# Altium PCB IDC_MCX_Adapter_flex.PCBDOC (part 4 of 4)
Units mm, origin at the board's own origin, x right, y up, seen from the top; angles counter-clockwise.
Board outline 170.6 x 106.1 mm, 4 copper layers (L1, L2, L3, L4), stack 1.598 mm thick; 298 components, 203 nets, 907 pads, 346 vias.
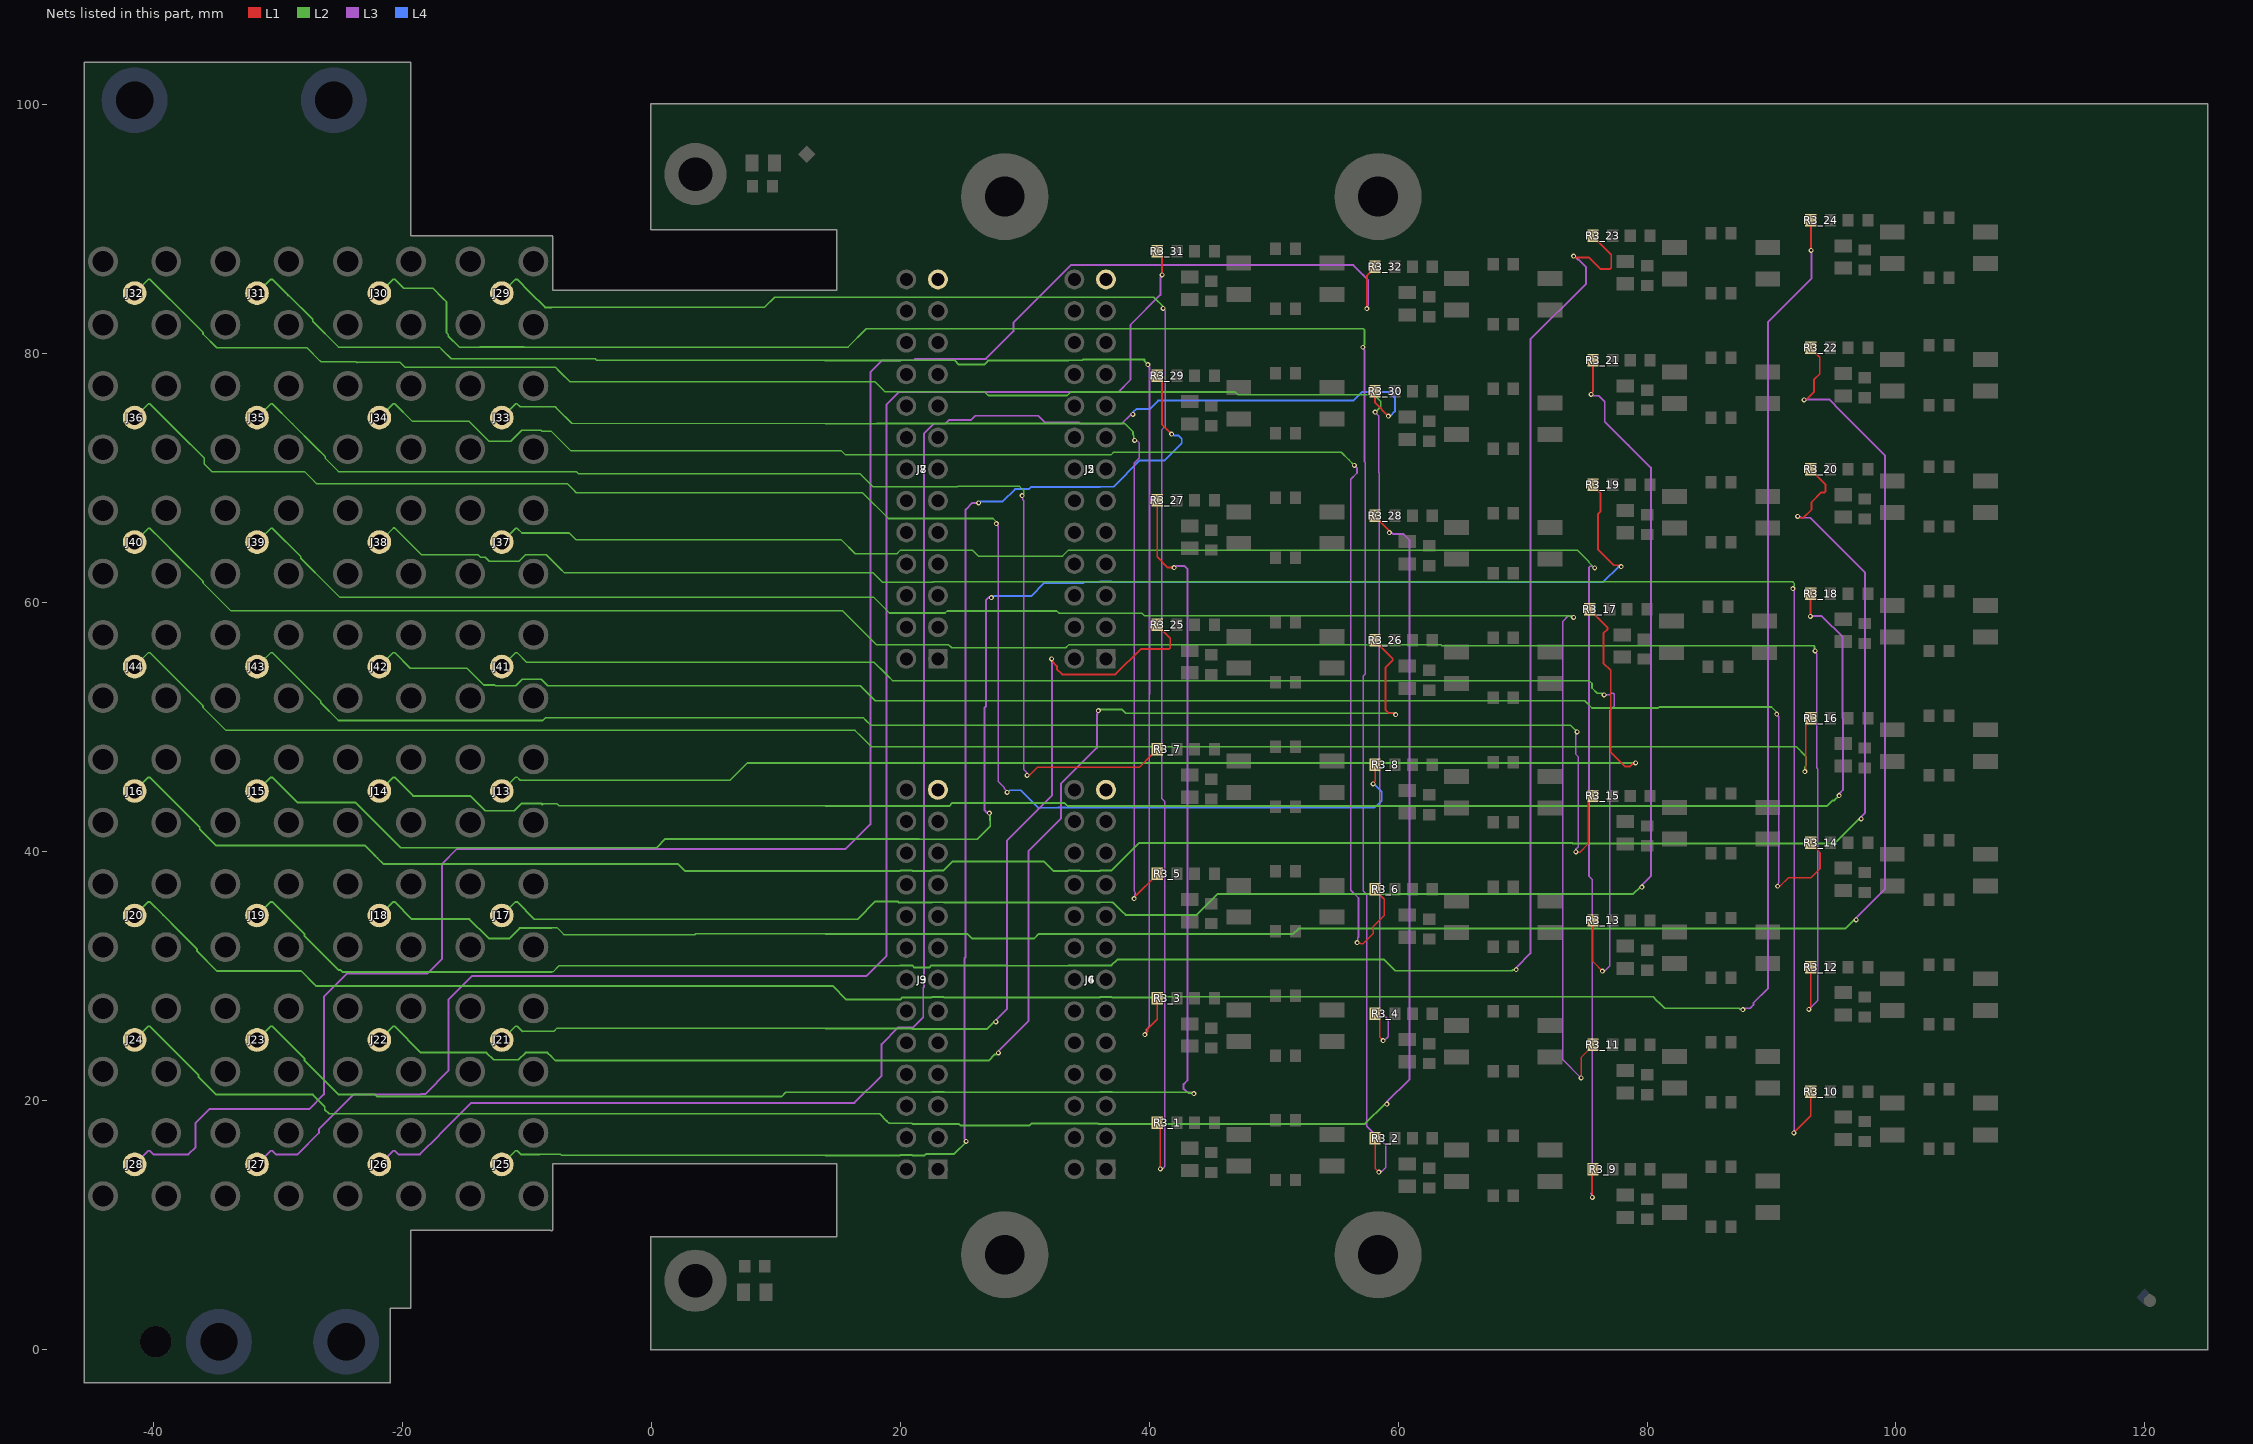
[diagram p6: the nets of this part, all layers, seen from the top]

## Via types
v1: diameter 0.5, hole 0.2, L1 to L4, tented both sides, 176 vias
v2: diameter 0.4, hole 0.2, L1 to L4, tented both sides, 170 vias

## Nets (pads, with @x,y where several pads share a name; then routed paths per layer and width w, separated by ;. In a path a pad name is that pad's centre, name@x,y a point inside that pad or via, vN(x,y) a via of type N, cw(c..) or ccw(c..) an arc to the next point about the centre after c; other vN are vias at no path point) (continued)
OUT_P1: J29.1 R3_1.1 | length 128.8
  L1 w0.127: R3_1.1@40.65,18.2 40.9,17.95 v2(40.9,14.5)
  L3 w0.127: v2(40.9,14.5) 40.952,14.552 41.127,14.552 41.264,14.689 41.264,44.003 41.003,44.263 41.003,73.857 41.285,74.139 41.285,83.411 41.121,83.574 v2(41.121,83.621)
  L2 w0.127: -8,83.698 -3.7,83.698 -3.687,83.711 9.107,83.711 9.92,84.524 23.054,84.524 40.376,84.524 41.147,83.753 41.147,83.647 v2(41.121,83.621)
  L2 w0.152: J29.1@-12,84.85 -10.901,85.949 -10.775,85.949 -9.744,84.918 -8.523,83.698 -8,83.698
OUT_P2: J30.1 R3_2.1 | length 155.8
  L1 w0.127: R3_2.1@58.15,16.95 58.15,14.55 v2(58.462,14.238)
  L3 w0.127: v2(57.176,80.5) 57.176,80.426 57.3,80.302 57.3,71.291 57.36,71.231 57.36,54.241 57.203,54.084 57.203,36.815 57.481,36.537 57.481,17.924 58.402,17.002 58.6,16.805 59,16.405 59,14.6 58.69,14.29 58.515,14.29 v2(58.462,14.238)
  L2 w0.127: J30.1@-21.833,84.85 -20.715,85.969 -20.609,85.969 -19.87,85.229 -17.524,85.229 -16.698,84.402 -16.441,84.146 -16.441,81.67 -16.3,81.529 -16.3,81.384 -15.429,80.513 -13.796,80.513 -13.788,80.521 -10.212,80.521 -10.204,80.513 15.808,80.513 17.279,81.984 21.737,81.984 57.216,81.984 57.3,81.9 57.3,80.698 57.176,80.574 v2(57.176,80.5)
OUT_P3: J31.1 R3_3.1 | length 132.7
  L1 w0.152: v2(39.658,25.278) 39.658,25.345 39.883,25.57 39.883,25.767 40.65,26.533 R3_3.1@40.65,28.2
  L3 w0.152: v2(39.658,25.278) 39.658,25.345 39.791,25.478 39.791,25.711 40.011,25.93 40.011,52.62 40.026,52.636 40.026,78.907 39.9,79.033 v2(39.9,79.1)
  L2 w0.127: -29.164,84.672 -29.128,84.672 -27.197,82.74 -27.197,82.592 -25.118,80.513 -23.974,80.513 -17.008,80.513 -16.796,80.301 -16.063,79.568 -4.499,79.568 -4.375,79.444 13.987,79.444 13.999,79.432
  L2 w0.152: J31.1@-31.667,84.85 -30.568,85.949 -30.442,85.949 -29.294,84.801 -29.164,84.672 ; 14,79.431 19.999,79.431 20.024,79.456 24.375,79.456 24.726,79.106 26.737,79.106 27.062,79.431 33.499,79.431 33.524,79.456 34.612,79.456 34.666,79.511 39.62,79.511 39.62,79.426 39.9,79.146 v2(39.9,79.1)
OUT_P4: J32.1 R3_4.1 | length 159.6
  L1 w0.127: R3_4.1@58.15,26.95 58.536,26.564 58.536,25.089 58.8,24.825 v2(58.8,24.8)
  L3 w0.127: v2(58.163,75.287) 58.163,75.275 58.434,75.005 58.434,70.46 58.503,70.39 58.503,46.434 58.518,46.42 58.518,27.187 59.202,26.502 59.202,25.102 59.11,25.01 59.084,25.01 58.874,24.8 v2(58.8,24.8)
  L2 w0.127: J32.1@-41.5,84.85 -40.381,85.969 -40.276,85.969 -36.955,82.647 -36.004,81.696 -36.004,81.566 -34.898,80.46 -27.655,80.46 -26.598,79.402 -26.516,79.321 -23.716,79.321 -23.634,79.239 -23.593,79.28 -20.162,79.28 -19.79,78.908 -7.707,78.908 -7.301,78.501 -6.521,77.721 17.979,77.721 18.623,77.077 18.787,76.913 26.792,76.913 27.084,76.621 33.426,76.621 33.709,76.904 46.922,76.904 47.155,76.671 58.075,76.671 58.6,76.146 58.6,75.724 v2(58.163,75.287)
OUT_P5: J33.1 R3_5.1 | length 92.9
  L1 w0.127: v2(38.8,36.2) 38.852,36.252 38.852,36.352 40.65,38.15 R3_5.1@40.65,38.2
  L3 w0.127: v2(38.8,36.2) 38.852,36.252 38.852,36.547 38.902,36.597 38.902,36.702 38.818,36.787 38.818,71.214 39.195,71.591 39.195,72.843 39.064,72.975 38.88,72.975 v2(38.827,73.027)
  L2 w0.127: J33.1@-12,74.85 -10.881,75.969 -10.776,75.969 -10.528,75.72 -7.715,75.72 -7.498,75.502 -6.422,74.426 -6.384,74.389 13.999,74.37 ; 14,74.37 18.1,74.366 18.105,74.372 38.052,74.372 38.702,73.721 38.702,73.48 38.775,73.407 38.775,73.08 v2(38.827,73.027)
OUT_P6: J34.1 R3_6.1 | length 126.6
  L1 w0.127: v2(56.71,32.666) 56.762,32.614 56.99,32.614 57.037,32.568 57.164,32.568 58.001,33.406 58.001,33.96 58.893,34.852 58.893,36.157 58.15,36.9 R3_6.1@58.15,36.95
  L3 w0.127: v2(56.486,71.007) 56.489,71.007 56.7,70.796 56.7,70.4 56.2,69.9 56.2,36.884 56.821,36.264 56.821,33.12 56.757,33.057 56.757,32.714 v2(56.71,32.666)
  L2 w0.127: J34.1@-21.833,74.85 -20.715,75.969 -20.609,75.969 -19.181,74.541 -14.624,74.541 -13.11,73.026 -13.028,72.944 -11.287,72.944 -10.404,73.828 -8.846,73.828 -8.758,73.74 -8.015,73.74 -6.475,72.2 15.256,72.2 15.607,71.849 36.931,71.849 37.142,72.06 55.44,72.06 56.061,71.439 56.486,71.014 v2(56.486,71.007)
OUT_P7: J35.1 R3_7.1 | length 99.5
  L1 w0.127: v2(30.2,46.1) 30.252,46.152 30.427,46.152 31.023,46.748 39.198,46.748 40.213,47.763 40.263,47.763 40.65,48.15 R3_7.1@40.65,48.2
  L3 w0.127: v2(29.8,68.576) 29.85,68.526 29.85,68.256 29.924,68.182 29.924,46.581 30.25,46.255 30.25,46.15 v2(30.2,46.1)
  L2 w0.127: J35.1@-31.667,74.85 -30.548,75.969 -30.443,75.969 -28.808,74.334 -26.988,72.514 -26.17,71.696 -26.17,71.566 -25.118,70.513 -6.008,70.513 -5.898,70.402 -5.816,70.321 16.784,70.321 17.796,69.309 24.635,69.309 24.646,69.321 29.594,69.321 29.924,68.99 29.924,68.774 29.8,68.65 v2(29.8,68.576)
OUT_P8: J36.1 R3_8.1 | length 130.3
  L1 w0.127: v2(58,45.427) 58,45.501 58.15,45.651 R3_8.1@58.15,46.95
  L3 w0.127: v2(27.721,66.321) 27.721,66.274 27.885,66.111 27.885,45.62 28.369,45.136 28.369,45.045 28.602,44.812 v2(28.602,44.738)
  L2 w0.127: J36.1@-41.5,74.85 -40.381,75.969 -40.276,75.969 -38.108,73.801 -35.89,71.582 -35.89,71.095 -35.308,70.513 -27.854,70.513 -27.052,69.711 -26.889,69.548 -6.743,69.548 -6.299,69.104 -6.016,68.821 16.979,68.821 19.056,66.744 27.456,66.744 27.747,66.453 27.747,66.347 v2(27.721,66.321)
  L4 w0.127: v2(28.602,44.738) 28.642,44.738 28.813,44.909 29.681,44.909 31.09,43.5 32.656,43.5 32.679,43.524 46.989,43.524 47.013,43.5 58.116,43.5 58.679,44.064 58.679,44.784 58.036,45.427 v2(58,45.427)
OUT_P9: J37.1 R3_9.1 | length 143.9
  L1 w0.127: v2(75.6,12.2) 75.6,14.4 R3_9.1@75.65,14.45
  L3 w0.127: v2(75.6,12.2) 75.548,12.252 75.548,12.47 75.5,12.518 75.61,12.628 75.61,37.727 75.335,38.002 75.335,62.822 75.41,62.897 75.602,62.897 75.726,62.773 v2(75.8,62.773)
  L2 w0.127: J37.1@-12,64.85 -10.881,65.969 -10.776,65.969 -10.386,65.579 -6.574,65.579 -6.098,65.102 -6.016,65.021 15.284,65.021 16.384,63.921 19.746,63.921 20.03,64.204 25.801,64.204 26.284,63.721 33.046,63.721 33.53,64.204 74.401,64.204 75.302,63.302 75.302,63.245 75.775,62.773 v2(75.8,62.773)
OUT_P10: J38.1 R3_10.1 | length 164.6
  L1 w0.127: v2(91.79,17.394) 93.15,18.754 R3_10.1@93.15,20.7
  L3 w0.127: v2(91.719,61.1) 91.719,61.026 91.843,60.902 91.843,17.615 91.843,17.446 v2(91.79,17.394)
  L2 w0.127: J38.1@-21.833,64.85 -20.706,65.978 -20.601,65.978 -18.45,63.827 -13.911,63.827 -13.714,63.63 -13.341,63.63 -13.014,63.303 -10.613,63.303 -10.089,63.827 -8.427,63.827 -7.301,62.701 -6.968,62.368 17.837,62.368 18.421,61.784 18.584,61.621 22.616,61.621 22.659,61.664 91.708,61.664 91.843,61.528 91.843,61.298 91.719,61.174 v2(91.719,61.1)
OUT_P11: J39.1 R3_11.1 | length 150.8
  L1 w0.127: v2(74.7,21.8) 74.7,23.45 75.65,24.4 R3_11.1@75.65,24.45
  L3 w0.127: v2(74.1,58.797) 74.026,58.797 73.902,58.921 73.672,58.921 73.245,58.494 73.245,23.255 v2(74.7,21.8)
  L2 w0.127: J39.1@-31.667,64.85 -30.548,65.969 -30.443,65.969 -28.157,63.683 -28.157,63.553 -25.771,61.167 -25.006,60.401 17.896,60.401 19.147,59.149 23.611,59.149 23.776,59.314 32.597,59.314 32.787,59.124 39.425,59.124 39.546,59.002 39.628,58.921 73.8,58.921 73.872,58.849 74.048,58.849 v2(74.1,58.797)
OUT_P12: J40.1 R3_12.1 | length 172.7
  L1 w0.127: v2(93,27.3) 93,27.374 93.15,27.524 R3_12.1@93.15,30.7
  L3 w0.127: v2(93,27.3) 93.721,28.021 93.721,46.614 93.624,46.711 93.624,55.902 93.5,56.026 v2(93.5,56.1)
  L2 w0.127: J40.1@-41.5,64.85 -40.381,65.969 -40.276,65.969 -39.283,64.976 -38.105,63.797 -36.005,61.698 -36.005,61.567 -33.759,59.321 15.379,59.321 17.499,57.201 18.091,56.609 23.888,56.609 24.055,56.442 24.137,56.361 33.306,56.361 33.53,56.584 63.449,56.584 63.512,56.521 93.426,56.521 93.456,56.49 93.456,56.144 v2(93.5,56.1)
OUT_P13: J41.1 R3_13.1 | length 118.7
  L1 w0.127: R3_13.1@75.65,34.45 75.65,31.15 v2(76.421,30.379)
  L3 w0.127: v2(76.421,30.379) 76.447,30.353 76.553,30.353 77,30.8 77,51.318 77.365,51.683 77.365,52.622 77.291,52.697 77.134,52.697 77.01,52.573 v2(76.554,52.573)
  L2 w0.127: J41.1@-12,54.85 -10.881,55.969 -10.776,55.969 -9.986,55.179 17.926,55.179 18.802,54.302 19,54.105 19.385,53.719 75.347,53.719 75.58,53.486 75.58,53.127 76.01,52.697 76.357,52.697 76.48,52.573 v2(76.554,52.573)
OUT_P14: J42.1 R3_14.1 | length 135.7
  L1 w0.127: v2(90.5,37.2) 90.552,37.252 90.727,37.252 91.342,37.867 93.158,37.867 93.893,38.602 93.893,39.907 93.15,40.65 R3_14.1@93.15,40.7
  L3 w0.127: v2(90.421,51.021) 90.421,50.974 90.585,50.811 90.585,37.5 90.552,37.468 90.552,37.252 v2(90.5,37.2)
  L2 w0.127: J42.1@-21.833,54.85 -20.715,55.969 -20.609,55.969 -19.347,54.706 -14.79,54.706 -13.45,53.366 -12.552,53.366 -12.49,53.303 -10.872,53.303 -10.348,53.828 -8.831,53.828 -8.398,53.394 -8.316,53.312 16.793,53.312 17.201,52.904 18.006,52.098 75.002,52.098 75.582,51.518 80.913,51.518 80.998,51.602 89.998,51.602 90.447,51.153 90.447,51.047 v2(90.421,51.021)
OUT_P15: J43.1 R3_15.1 | length 124.6
  L1 w0.127: v2(74.284,39.967) 74.314,39.937 74.612,39.937 75.263,40.588 75.263,44.064 R3_15.1@75.65,44.45
  L3 w0.127: v2(74.284,39.967) 74.279,39.972 74.279,40.167 74.488,40.376 74.488,47.591 74.258,47.821 74.258,49.404 74.386,49.533 v2(74.386,49.607)
  L2 w0.127: J43.1@-31.667,54.85 -30.548,55.969 -30.443,55.969 -27.838,53.364 -26.551,52.077 -26.551,51.947 -25.118,50.513 -8.716,50.513 -8.508,50.721 17.059,50.721 17.241,50.539 17.659,50.121 73.879,50.121 73.961,50.039 74.386,49.614 v2(74.386,49.607)
OUT_P16: J44.1 R3_16.1 | length 144.1
  L1 w0.127: v2(92.676,46.4) 92.676,46.474 92.763,46.561 92.763,50.313 R3_16.1@93.15,50.7
  L2 w0.127: J44.1@-41.5,54.85 -40.381,55.969 -40.276,55.969 -36.555,52.247 -36.004,51.696 -36.004,51.566 -34.159,49.721 16.379,49.721 16.899,49.201 17.679,48.421 91.979,48.421 92.8,47.6 92.8,46.9 92.691,46.791 92.691,46.414 v2(92.676,46.4)
OUT_P17: J13.1 R3_17.1 | length 107.3
  L1 w0.152: R3_17.1@75.4,59.45 75.4,59.4 76.827,57.973 76.827,57.847 76.487,57.508 76.487,55.133 77.084,54.536 77.084,47.957 78.235,46.807 78.614,46.807 78.874,47.068 79.038,47.068 v2(79.085,47.115)
  L2 w0.127: J13.1@-12,44.85 -10.881,45.969 -10.776,45.969 -10.528,45.72 6.326,45.72 7.708,47.102 79.073,47.102 v2(79.085,47.115)
OUT_P18: J14.1 R3_18.1 | length 137.8
  L1 w0.152: v2(93.127,58.873) 93.127,60.677 R3_18.1@93.15,60.7
  L3 w0.152: v2(93.127,58.873) 93.158,58.903 94.028,58.903 94.122,58.809 95.705,57.226 95.705,50.727 95.742,50.689 95.742,44.942 95.476,44.676 95.476,44.519 v2(95.429,44.471)
  L2 w0.127: -8.744,43.758 -8.682,43.821 -7.561,43.821 -7.391,43.651 13.986,43.651 13.999,43.638
  L2 w0.152: J14.1@-21.833,44.85 -20.734,45.949 -20.608,45.949 -19.122,44.463 -14.529,44.463 -13.331,43.265 -11.007,43.265 -10.432,43.84 -8.826,43.84 -8.744,43.758 ; 13.999,43.638 23.938,43.638 24.2,43.9 33.189,43.9 33.451,43.638 94.438,43.638 94.9,44.1 95.057,44.1 v2(95.429,44.471)
OUT_P19: J15.1 R3_19.1 | length 141.1
  L1 w0.152: R3_19.1@75.65,69.45 75.65,69.4 76.25,68.8 76.25,67.299 76.071,67.121 76.071,64.246 77.327,62.99 77.743,62.99 77.855,62.878 v2(77.922,62.878)
  L3 w0.152: v2(27.173,43.073) 27.125,43.12 26.968,43.12 26.791,43.297 26.791,51.552 26.889,51.651 26.889,60.189 27.1,60.4 27.297,60.4 v2(27.32,60.378)
  L2 w0.152: J15.1@-31.667,44.85 -30.568,45.949 -30.442,45.949 -29.519,45.026 -28.407,43.914 -23.746,43.914 -20.126,40.295 -8,40.295 0.443,40.295 1.144,40.996 21.513,40.996 21.538,40.971 26.202,40.971 27.242,42.011 27.242,42.474 27.203,42.512 27.203,43.042 v2(27.173,43.073)
  L4 w0.152: v2(27.32,60.378) 27.387,60.378 27.518,60.509 30.513,60.509 31.553,61.549 34.723,61.549 34.824,61.651 36.039,61.651 36.064,61.676 37.001,61.676 37.026,61.651 76.482,61.651 77.716,62.884 77.915,62.884 v2(77.922,62.878)
OUT_P20: J16.1 R3_20.1 | length 177.8
  L1 w0.152: v2(92.1,66.916) 92.167,66.916 92.278,66.805 92.559,66.805 93.212,67.458 93.212,68.039 94.007,68.834 94.26,68.834 94.349,68.924 94.349,69.451 93.15,70.65 R3_20.1@93.15,70.7
  L3 w0.152: v2(92.1,66.916) 92.147,66.869 92.336,66.869 92.4,66.805 93.126,66.805 95.5,64.431 97.508,62.423 97.508,43.077 97.241,42.81 97.241,42.653 v2(97.194,42.606)
  L2 w0.152: J16.1@-41.5,44.85 -40.401,45.949 -40.275,45.949 -38.944,44.618 -37.405,43.079 -36.266,41.941 -36.266,41.774 -34.967,40.475 -23.006,40.475 -22.216,39.684 -22,39.469 -21.526,38.995 -8,38.995 2.151,38.995 2.715,38.431 19.999,38.431 20.024,38.456 20.961,38.456 20.986,38.431 22.539,38.431 22.564,38.456 23.472,38.456 24.211,39.195 31.551,39.195 32.315,38.431 33.499,38.431 33.524,38.456 34.461,38.456 34.486,38.431 36.039,38.431 36.064,38.456 36.972,38.456 39.201,40.684 73.982,40.684 74.027,40.639 95.07,40.639 97.052,42.621 97.179,42.621 v2(97.194,42.606)
OUT_P21: J17.1 R3_21.1 | length 139.6
  L1 w0.152: v2(75.5,76.716) 75.5,76.783 75.65,76.933 R3_21.1@75.65,79.45
  L3 w0.152: v2(75.5,76.716) 75.567,76.716 75.678,76.605 76.126,76.605 76.6,76.131 76.6,74.531 78.5,72.631 80.305,70.826 80.305,38.005 79.626,37.326 79.626,37.169 v2(79.579,37.121)
  L2 w0.152: J17.1@-12,34.85 -10.901,35.949 -10.775,35.949 -9.377,34.551 -8,34.551 13.999,34.551 ; 14,34.551 16.582,34.551 18.016,35.984 19.805,35.984 19.898,35.891 22.539,35.891 22.564,35.916 23.501,35.916 23.526,35.891 28.604,35.891 36.039,35.891 36.064,35.916 37.001,35.916 37.026,35.891 37.109,35.891 37.808,35.192 38.105,34.895 43.826,34.895 45.517,36.586 78.886,36.586 79.437,37.137 79.563,37.137 v2(79.579,37.121)
OUT_P22: J18.1 R3_22.1 | length 173.4
  L1 w0.152: v2(92.627,76.273) 92.675,76.32 92.832,76.32 93.407,76.895 93.407,77.884 93.873,78.35 93.873,79.677 93.15,80.4 R3_22.1@93.15,80.45
  L3 w0.152: v2(92.627,76.273) 92.66,76.305 94.626,76.305 95.6,75.331 99.105,71.826 99.105,36.974 96.841,34.71 96.841,34.553 v2(96.794,34.506)
  L2 w0.127: -8,33.84 -7.987,33.853 -7.535,33.853 -7.159,33.477 -6.995,33.313 3.498,33.313 3.574,33.389 13.986,33.389 13.999,33.376
  L2 w0.152: J18.1@-21.833,34.85 -20.734,35.949 -20.608,35.949 -19.226,34.567 -14.598,34.567 -13.116,33.084 -13.026,32.995 -11.411,32.995 -10.566,33.84 -8,33.84 ; 13.999,33.376 22.413,33.376 22.438,33.351 25.418,33.351 25.684,33.084 25.774,32.995 30.753,32.995 31.134,33.376 35.913,33.376 35.938,33.351 51.558,33.351 52.002,33.795 95.926,33.795 96.652,34.521 96.779,34.521 v2(96.794,34.506)
OUT_P23: J19.1 R3_23.1 | length 171.8
  L1 w0.152: v2(74.1,87.827) 74.167,87.827 74.299,87.695 75.351,87.695 76.246,86.8 77.032,86.8 77.122,86.89 77.122,87.928 75.65,89.4 R3_23.1@75.65,89.45
  L3 w0.152: v2(69.494,30.506) 69.541,30.553 69.541,30.71 70.634,31.803 70.634,81.134 75.105,85.605 75.105,86.926 74.467,87.564 74.43,87.564 74.167,87.827 v2(74.1,87.827)
  L2 w0.127: -8,30.315 -7.897,30.315 -7.388,30.824 13.986,30.824 13.999,30.811
  L2 w0.152: J19.1@-31.667,34.85 -30.568,35.949 -30.442,35.949 -27.845,33.353 -27.845,33.187 -25.133,30.475 -24.968,30.475 -24.897,30.404 -24.807,30.315 -8,30.315 ; 13.999,30.811 19.999,30.811 20.024,30.836 20.961,30.836 20.986,30.811 20.997,30.811 21.139,30.67 22.337,30.67 22.504,30.836 28.463,30.836 28.488,30.811 33.499,30.811 33.524,30.836 36.972,30.836 37.447,31.311 58.889,31.311 59.789,30.411 69.158,30.411 69.206,30.459 69.447,30.459 v2(69.494,30.506)
OUT_P24: J20.1 R3_24.1 | length 199.6
  L1 w0.152: R3_24.1@93.15,90.7 93.173,90.677 v2(93.173,88.273)
  L3 w0.152: v2(87.7,27.284) 87.767,27.284 87.878,27.395 88.285,27.395 88.553,27.663 88.553,27.822 89.705,28.974 89.705,82.505 93.205,86.005 93.205,88.24 v2(93.173,88.273)
  L2 w0.152: J20.1@-41.5,34.85 -40.401,35.949 -40.275,35.949 -39.219,34.893 -37.955,33.629 -36.499,32.174 -36.499,32.007 -34.883,30.391 -28.122,30.391 -27.016,29.284 -26.926,29.195 -8,29.195 14.574,29.195 15.674,28.095 20.003,28.095 20.179,28.271 22.539,28.271 22.564,28.296 23.501,28.296 23.526,28.271 36.039,28.271 36.064,28.296 37.001,28.296 37.026,28.271 40.602,28.271 40.616,28.284 40.998,28.284 41.032,28.319 80.481,28.319 80.8,28 81.016,27.784 81.405,27.395 87.4,27.395 87.464,27.331 87.653,27.331 v2(87.7,27.284)
OUT_P25: J21.1 R3_25.1 | length 85.2
  L1 w0.152: v2(32.173,55.473) 32.22,55.425 32.22,55.268 32.597,54.891 32.597,54.62 33.003,54.214 37.298,54.214 39.354,56.271 41.606,56.271 41.695,56.36 41.695,57.105 40.65,58.15 R3_25.1@40.65,58.2
  L3 w0.152: v2(27.694,26.306) 27.741,26.353 27.741,26.51 28.568,27.337 28.568,40.868 32.205,44.505 32.205,55.44 v2(32.173,55.473)
  L2 w0.127: -10.359,25.534 -10.342,25.552 -7.815,25.552 -7.559,25.808 3.998,25.808 4.011,25.795 13.986,25.795 13.999,25.783
  L2 w0.152: J21.1@-12,24.85 -10.901,25.949 -10.775,25.949 -10.359,25.534 ; 13.999,25.783 20.934,25.783 20.986,25.731 26.962,25.731 27.552,26.321 27.679,26.321 v2(27.694,26.306)
OUT_P26: J22.1 R3_26.1 | length 114.4
  L1 w0.152: R3_26.1@58.15,56.95 58.15,56.9 59.573,55.477 59.573,55.351 58.977,54.755 58.977,51.363 59.245,51.095 59.622,51.095 59.733,50.984 v2(59.8,50.984)
  L3 w0.152: v2(27.894,23.806) 27.941,23.853 27.941,24.01 30.305,26.374 30.305,40.005 32.919,42.619 32.919,45.425 35.805,48.311 35.805,51 35.869,51.064 35.869,51.253 v2(35.916,51.3)
  L2 w0.127: -8,23.5 -7.704,23.204 13.986,23.204 13.999,23.191
  L2 w0.152: J22.1@-21.833,24.85 -20.734,25.949 -20.608,25.949 -18.499,23.84 -13.232,23.84 -12.657,23.265 -10.669,23.265 -10.094,23.84 -8.34,23.84 -8,23.5 ; 13.999,23.191 19.999,23.191 20.024,23.216 20.961,23.216 20.986,23.191 22.539,23.191 22.564,23.216 23.501,23.216 23.526,23.191 27.122,23.191 27.616,23.684 27.706,23.684 27.827,23.806 v2(27.894,23.806) ; v2(35.916,51.3) 35.983,51.3 36.083,51.4 37.8,51.4 38.105,51.095 59.622,51.095 59.733,50.984 v2(59.8,50.984)
OUT_P27: J23.1 R3_27.1 | length 128.7
  L1 w0.152: R3_27.1@40.65,68.2 40.65,63.65 41.5,62.8 v2(42,62.8)
  L3 w0.152: v2(42,62.8) 42.067,62.8 42.178,62.911 42.858,62.911 43.074,62.695 43.074,21.594 42.777,21.298 42.777,20.919 43.045,20.651 43.422,20.651 43.533,20.54 v2(43.6,20.54)
  L2 w0.152: J23.1@-31.667,24.85 -30.568,25.949 -30.442,25.949 -27.845,23.353 -27.845,23.187 -25.133,20.475 -22.206,20.475 -22.026,20.295 -8,20.295 10.468,20.295 10.824,20.651 22.539,20.651 22.564,20.676 23.501,20.676 23.526,20.651 36.039,20.651 36.064,20.676 37.001,20.676 37.026,20.651 43.118,20.651 43.181,20.587 43.553,20.587 v2(43.6,20.54)
  L4 w0.152: v2(42,62.8) v2@42.006,62.806
OUT_P28: J24.1 R3_28.1 | length 154.9
  L1 w0.152: R3_28.1@58.15,66.95 58.15,66.9 59.253,65.797 59.253,65.663 v2(59.3,65.616)
  L3 w0.152: v2(59.094,19.706) 59.141,19.753 59.141,19.91 60.905,21.674 60.905,65.026 60.426,65.505 59.6,65.505 59.536,65.569 59.347,65.569 v2(59.3,65.616)
  L2 w0.127: -8,18.92 -7.987,18.933 13.986,18.933 13.999,18.92
  L2 w0.152: J24.1@-41.5,24.85 -40.401,25.949 -40.275,25.949 -39.069,24.743 -37.655,23.329 -36.381,22.056 -36.381,21.889 -34.948,20.456 -27.175,20.456 -26.223,19.503 -26.223,19.263 -25.88,18.92 -8,18.92 ; 13.999,18.92 18.349,18.92 18.929,18.34 19.107,18.162 20.935,18.162 20.986,18.111 24.716,18.111 24.747,18.08 24.837,17.99 30.402,17.99 30.548,18.136 35.913,18.136 35.938,18.111 57.342,18.111 v2@58.952,19.721
OUT_P29: J25.1 R3_29.1 | length 115.4
  L1 w0.152: R3_29.1@40.65,78.2 41.024,77.826 41.024,74.303 v2(41.8,73.527)
  L3 w0.152: v2(25.303,16.7) 25.303,16.767 25.176,16.894 25.176,31.43 25.253,31.507 25.253,67.453 25.8,68 v2(26.3,68)
  L2 w0.127: -8.953,15.657 -8.934,15.676 -7.29,15.676 -7.199,15.584 13.986,15.584 13.999,15.571
  L2 w0.152: J25.1@-12,14.85 -10.901,15.949 -10.775,15.949 -10.482,15.657 -8.953,15.657 ; 13.999,15.571 19.999,15.571 20.024,15.596 20.961,15.596 20.986,15.571 21.97,15.571 22.097,15.698 24.347,15.698 25.303,16.654 v2(25.303,16.7)
  L4 w0.152: v2(26.3,68) 26.367,68 26.478,68.111 28.242,68.111 29.237,69.106 30.343,69.106 30.508,69.271 36.039,69.271 36.064,69.296 37.152,69.296 39.26,71.404 41.258,71.404 42.623,72.769 42.623,73.148 42.355,73.416 41.978,73.416 41.867,73.527 v2(41.8,73.527)
OUT_P30: J26.1 R3_30.1 | length 141.6
  L1 w0.152: R3_30.1@58.15,76.95 58.15,76.05 v2(59.23,74.97)
  L3 w0.152: J26.1@-21.833,14.85 -20.734,15.949 -20.608,15.949 -20.315,15.657 -18.575,15.657 -17.022,17.21 -17.022,17.247 -14.469,19.8 -8,19.8 16.331,19.8 18.511,21.98 18.511,24.511 19.858,25.858 21.034,25.858 21.857,26.681 21.857,29.042 21.902,29.087 21.902,30.174 21.927,30.2 21.927,32.997 21.902,33.022 21.902,37.794 21.927,37.82 21.927,41.913 21.902,41.938 21.902,55.934 21.927,55.959 21.927,57.412 21.927,59.968 21.902,59.993 21.902,63.554 21.927,63.58 21.927,66.299 21.902,66.324 21.902,71.174 21.927,71.2 21.927,73.589 22.689,74.351 23.627,74.351 23.944,74.669 25.7,74.669 26.026,74.995 26.416,74.995 31.112,74.995 31.629,74.478 34.359,74.478 34.486,74.351 37.782,74.351 38.552,75.121 38.679,75.121 v2(38.694,75.106)
  L4 w0.152: v2(38.694,75.106) 38.741,75.153 38.741,75.31 38.966,75.535 40.035,75.535 40.718,76.218 56.418,76.218 57.1,76.9 59.3,76.9 59.75,76.45 59.75,75.35 59.363,74.963 59.237,74.963 v2(59.23,74.97)
OUT_P31: J27.1 R3_31.1 | length 138.1
  L1 w0.152: R3_31.1@40.276,87.826 R3_31.1@40.65,88.2 41.024,87.826 41.024,87.113 41.038,87.099 v2(41.038,86.322)
  L3 w0.152: J27.1@-31.667,14.85 -30.568,15.949 -30.442,15.949 -30.149,15.657 -28.409,15.657 -26.689,17.377 -26.689,17.68 -23.894,20.475 -18.533,20.475 -18.508,20.5 -18.169,20.5 -16.295,22.374 -16.295,28.074 -14.369,30 -8,30 17.318,30 18.918,31.599 18.918,75.918 19.891,76.891 22.539,76.891 22.564,76.916 23.501,76.916 23.526,76.891 28.887,76.891 36.039,76.891 36.064,76.916 37.001,76.916 37.026,76.891 37.509,76.891 38.505,77.887 38.505,82.305 40.905,84.705 40.905,86.122 41.016,86.233 v2@41.016,86.3
OUT_P32: J28.1 R3_32.1 | length 167.6
  L1 w0.152: v2(57.489,83.6) 57.489,86.239 58.15,86.9 R3_32.1@58.15,86.95
  L3 w0.152: J28.1@-41.5,14.85 -40.401,15.949 -40.275,15.949 -39.982,15.657 -37.174,15.657 -36.6,16.23 -36.6,18.2 -35.505,19.295 -27.474,19.295 -26.295,20.474 -26.295,28.305 -24.4,30.2 -17.969,30.2 -16.795,31.374 -16.795,39.005 -15.6,40.2 -8,40.2 15.631,40.2 17.605,42.174 17.605,78.505 18.531,79.431 19.999,79.431 20.024,79.456 21.112,79.456 21.214,79.558 26.889,79.558 29.105,81.774 29.105,82.477 33.723,87.095 56.405,87.095 57.208,86.292 57.6,85.9 57.6,83.9 57.536,83.836 57.536,83.647 v2(57.489,83.6)
P13V0_SCSIa: J3.25 J9.25
P13V0_SCSIb: J4.25 J6.25
P13V0_SCSIc: J2.25 J5.25
P13V0_SCSId: J7.25 J8.25
pads on no net: B2.1 B3.1 B4.1 B5.1 FTG1.FTG2 FTG2.1 FTG3.1 FTG4.1 S1. S1.1 S2. S2.1 S3. S3.1 S4. S4.1

## Polygon pours and split planes (outlines as drawn)
GND on L2 "L2-GND" (solid, remove dead copper, pour order 133): 0.12,2.789 125.02,2.789 125.02,99.289 124.92,99.389 0.92,99.389 0.52,98.989 0.52,90.489 15.52,90.489 15.52,84.9 -8.1,84.9 -8.1,89.3 -19.4,89.3 -19.4,103.3 -45.4,103.3 -45.4,-2.5 -21.2,-2.5 -21.2,3.5 -19.5,3.5 -19.5,9.7 -8.2,9.7 -8.2,15.5 14.52,15.5 14.52,14.989 15.02,14.989 15.02,8.889 0.12,8.889
no net on L2 "NONET_L-01_P-001" (solid, remove dead copper, pour order 118): 42.24,97.485 42.926,98.171 118.923,98.171 121.514,95.58 121.514,93.243 120.701,92.431 117.297,92.431 113.563,96.164 86.639,96.164 85.7,95.225 45.974,95.225 44.983,94.234 42.24,94.234
GND on L1 "NONET_L-01_P-001" (solid, remove dead copper, pour order 121): 0.5,90.5 15.5,90.5 15.5,84.5 14.5,84.5 14.5,15 15,15 15,8.9 0.1,8.9 0.1,2.8 125,2.8 125,99.3 124.9,99.4 0.9,99.4 0.5,99
GND on L1 "NONET_L-01_P-001" (solid, remove dead copper, pour order 132): -45.488,103.388 -19.488,103.388 -19.488,89.388 -8.188,89.388 -8.188,84.988 -8.188,15.588 -8.288,15.588 -8.288,9.788 -19.588,9.788 -19.588,3.588 -21.288,3.588 -21.288,-2.412 -45.488,-2.412
GND on L3 "L3-GND" (solid, remove dead copper, pour order 134): 0.12,2.789 125.02,2.789 125.02,99.289 124.92,99.389 0.92,99.389 0.52,98.989 0.52,90.489 15.52,90.489 15.52,84.9 -8.1,84.9 -8.1,89.3 -19.4,89.3 -19.4,103.3 -45.4,103.3 -45.4,-2.5 -21.2,-2.5 -21.2,3.5 -19.5,3.5 -19.5,9.7 -8.2,9.7 -8.2,15.5 14.52,15.5 14.52,14.989 15.02,14.989 15.02,8.889 0.12,8.889
GND on L4 "NONET_L-01_P-001" (solid, remove dead copper, pour order 127): -45.488,103.388 -19.488,103.388 -19.488,89.388 -8.188,89.388 -8.188,84.988 -8.188,15.588 -8.288,15.588 -8.288,9.788 -19.588,9.788 -19.588,3.588 -21.288,3.588 -21.288,-2.412 -45.488,-2.412
GND on L4 "NONET_L-01_P-001" (solid, remove dead copper, pour order 122): 0.52,90.489 15.52,90.489 15.52,84.489 14.5,84.489 14.5,8.889 0.12,8.889 0.12,2.789 125.02,2.789 125.02,99.289 124.92,99.389 0.92,99.389 0.52,98.989

## Keep-outs
L1:
  lines w0.1: 1,8.103 1.996,8.103 ccw(c1.996,8.61) 2.355,8.251 cw(c2.357,8.249) 2.357,8.252 4.09,8.252 cw(c4.09,6.025) 5.665,7.6 6.187,7.078 cw(c5.64,6.531) 6.413,6.531 ; 1,91.923 2,91.923 2.423,91.5 5.389,91.5 ; 6.096,3.023 6.096,3.614 6.413,3.931 6.413,4.581
  lines w0.254: -0.032,2.623 110.316,2.623 ; 0.051,97.993 124.4,97.993
L4:
  lines w0.1: 1,8.103 2.35,8.103 2.538,8.29 4.975,8.29 6.413,6.852 6.413,4.256 6.096,3.939 6.096,3.023 ; 1,91.923 2,91.923 2.423,91.5 5.32,91.5
  lines w0.254: -0.025,2.489 122.2,2.5
KeepOutLayer:
  lines w0.203: 0,-0.051 124.4,0.009 124.4,99.692 ; 0,99.55 123.95,99.55

## Silkscreen, mask and mechanical layers (free items; w line width, h text height)
TopOverlay:
  drawing of 1241 lines, arcs and shapes, not listed
  text "DAC OUT 24-31" at 17.018,55.626 h2.03 r90
  text "DAC OUT 16-23" at 30.2,55.5 h2.03 r90
  text "WUT ISE 2022" at 121.25,52.15 h1.02 r90
  text "IDC to MCX adapter" at 119,40.9 h2.03 r90
  text "DAC OUT 8-15" at 30.289,20.925 h2.03 r90
  text "DAC OUT 0-7" at 17.018,15.748 h2.03 r90
Mechanical1:
  drawing of 626 lines, arcs and shapes, not listed
  text "Layer" at 6.069,232.376 h1.52
  text "Name" at 16.48,232.376 h1.52
  text "Material" at 50.253,232.376 h1.52
  text "Thickness" at 72.091,232.376 h1.52
  text "Constant" at 88.596,232.376 h1.52
  text "Rigid" at 103.071,232.376 h1.52
  text "Flex" at 116.022,232.376 h1.52
  text "TopOverlay" at 16.48,229.328 h1.52
  text "BottomSolder" at 16.48,226.28 h1.52
  text "Solder Resist" at 50.253,226.28 h1.52
  text "0,39mil" at 72.091,226.28 h1.52
  text "3.5" at 88.596,226.28 h1.52
  text "Top Surface Finish" at 16.48,223.232 h1.52
  text "Nickel, Gold" at 50.253,223.232 h1.52
  text "0,16mil" at 72.091,223.232 h1.52
  text "1" at 6.069,220.184 h1.52
  text "L1" at 16.48,220.184 h1.52
  text "2,21mil" at 72.091,220.184 h1.52
  text "Dielectric1" at 16.48,217.136 h1.52
  text "FR-4" at 50.253,217.136 h1.52
  text "27,56mil" at 72.091,217.136 h1.52
  text "4.8" at 88.596,217.136 h1.52
  text "2" at 6.069,214.088 h1.52
  text "L2" at 16.48,214.088 h1.52
  text "0,71mil" at 72.091,214.088 h1.52
  text "Dielectric 3" at 16.48,211.04 h1.52
  text "Polymide" at 50.253,211.04 h1.52
  text "1,97mil" at 72.091,211.04 h1.52
  text "4.8" at 88.596,211.04 h1.52
  text "3" at 6.069,207.992 h1.52
  text "L3" at 16.48,207.992 h1.52
  text "0,71mil" at 72.091,207.992 h1.52
  text "Dielectric5" at 16.48,204.944 h1.52
  text "FR-4" at 50.253,204.944 h1.52
  text "27,56mil" at 72.091,204.944 h1.52
  text "4.8" at 88.596,204.944 h1.52
  text "4" at 6.069,201.896 h1.52
  text "L4" at 16.48,201.896 h1.52
  text "2,21mil" at 72.091,201.896 h1.52
  text "Bottom Surface Finish" at 16.48,198.848 h1.52
  text "Nickel, Gold" at 50.253,198.848 h1.52
  text "0,16mil" at 72.091,198.848 h1.52
  text "TopSolder" at 16.48,195.8 h1.52
  text "Solder Resist" at 50.253,195.8 h1.52
  text "0,39mil" at 72.091,195.8 h1.52
  text "3.5" at 88.596,195.8 h1.52
  text "BottomOverlay" at 16.48,192.752 h1.52
  text "RIGID" at -35.3,97.5 h1.02
  text "RIGID" at 15.9,93.9 h1.02
  text "FLEX" at 1.3,81.3 h1.02
Mechanical4:
  lines w0.508: -2.544,-15.25 -2.544,114.162
  lines w1: 41.263,5.031 41.263,95.031 116.263,95.031 116.263,5.031 41.263,5.031 ; 122.263,55.031 157.263,55.031 157.263,95.031 122.263,95.031 122.263,55.031
Mechanical8:
  lines w0.2: 92.741,21.359 102.737,21.359 ; 207.359,90.959 217.101,90.959 ; 207.396,77.663 207.396,90.959 207.396,102.69
  lines w0.5: -44.375,14.85 -9.1,14.85 ; -44.375,24.85 -9.1,24.85 ; -44.375,34.85 -9.1,34.85 ; -44.375,44.85 -9.1,44.85 ; -44.375,54.85 -9.1,54.85 ; -44.375,64.85 -9.1,64.85 ; -44.375,74.85 -9.1,74.85 ; -44.375,84.85 -9.1,84.85 ; -41.5,11.3 -41.5,88.4 ; -31.667,11.3 -31.667,88.4 ; -21.833,11.3 -21.833,88.4 ; -12,11.3 -12,88.4
  text "1" at -8.775,79.6 h1.02

## Text inside footprints (layer, text, board x,y; h text height)
J3: TopOverlay "26" at 19.095,44.311 h1.02 r90; Mechanical14 "26" at 19.095,44.311 h1.02 r90
J4: TopOverlay "26" at 32.595,44.311 h1.02 r90; Mechanical14 "26" at 32.595,44.311 h1.02 r90
J5: TopOverlay "26" at 32.595,85.311 h1.02 r90; Mechanical14 "26" at 32.595,85.311 h1.02 r90
J7: TopOverlay "26" at 19.095,85.311 h1.02 r90; Mechanical14 "26" at 19.095,85.311 h1.02 r90